# Altium PCB PCB1.PcbDoc (part 1 of 5) (continued)
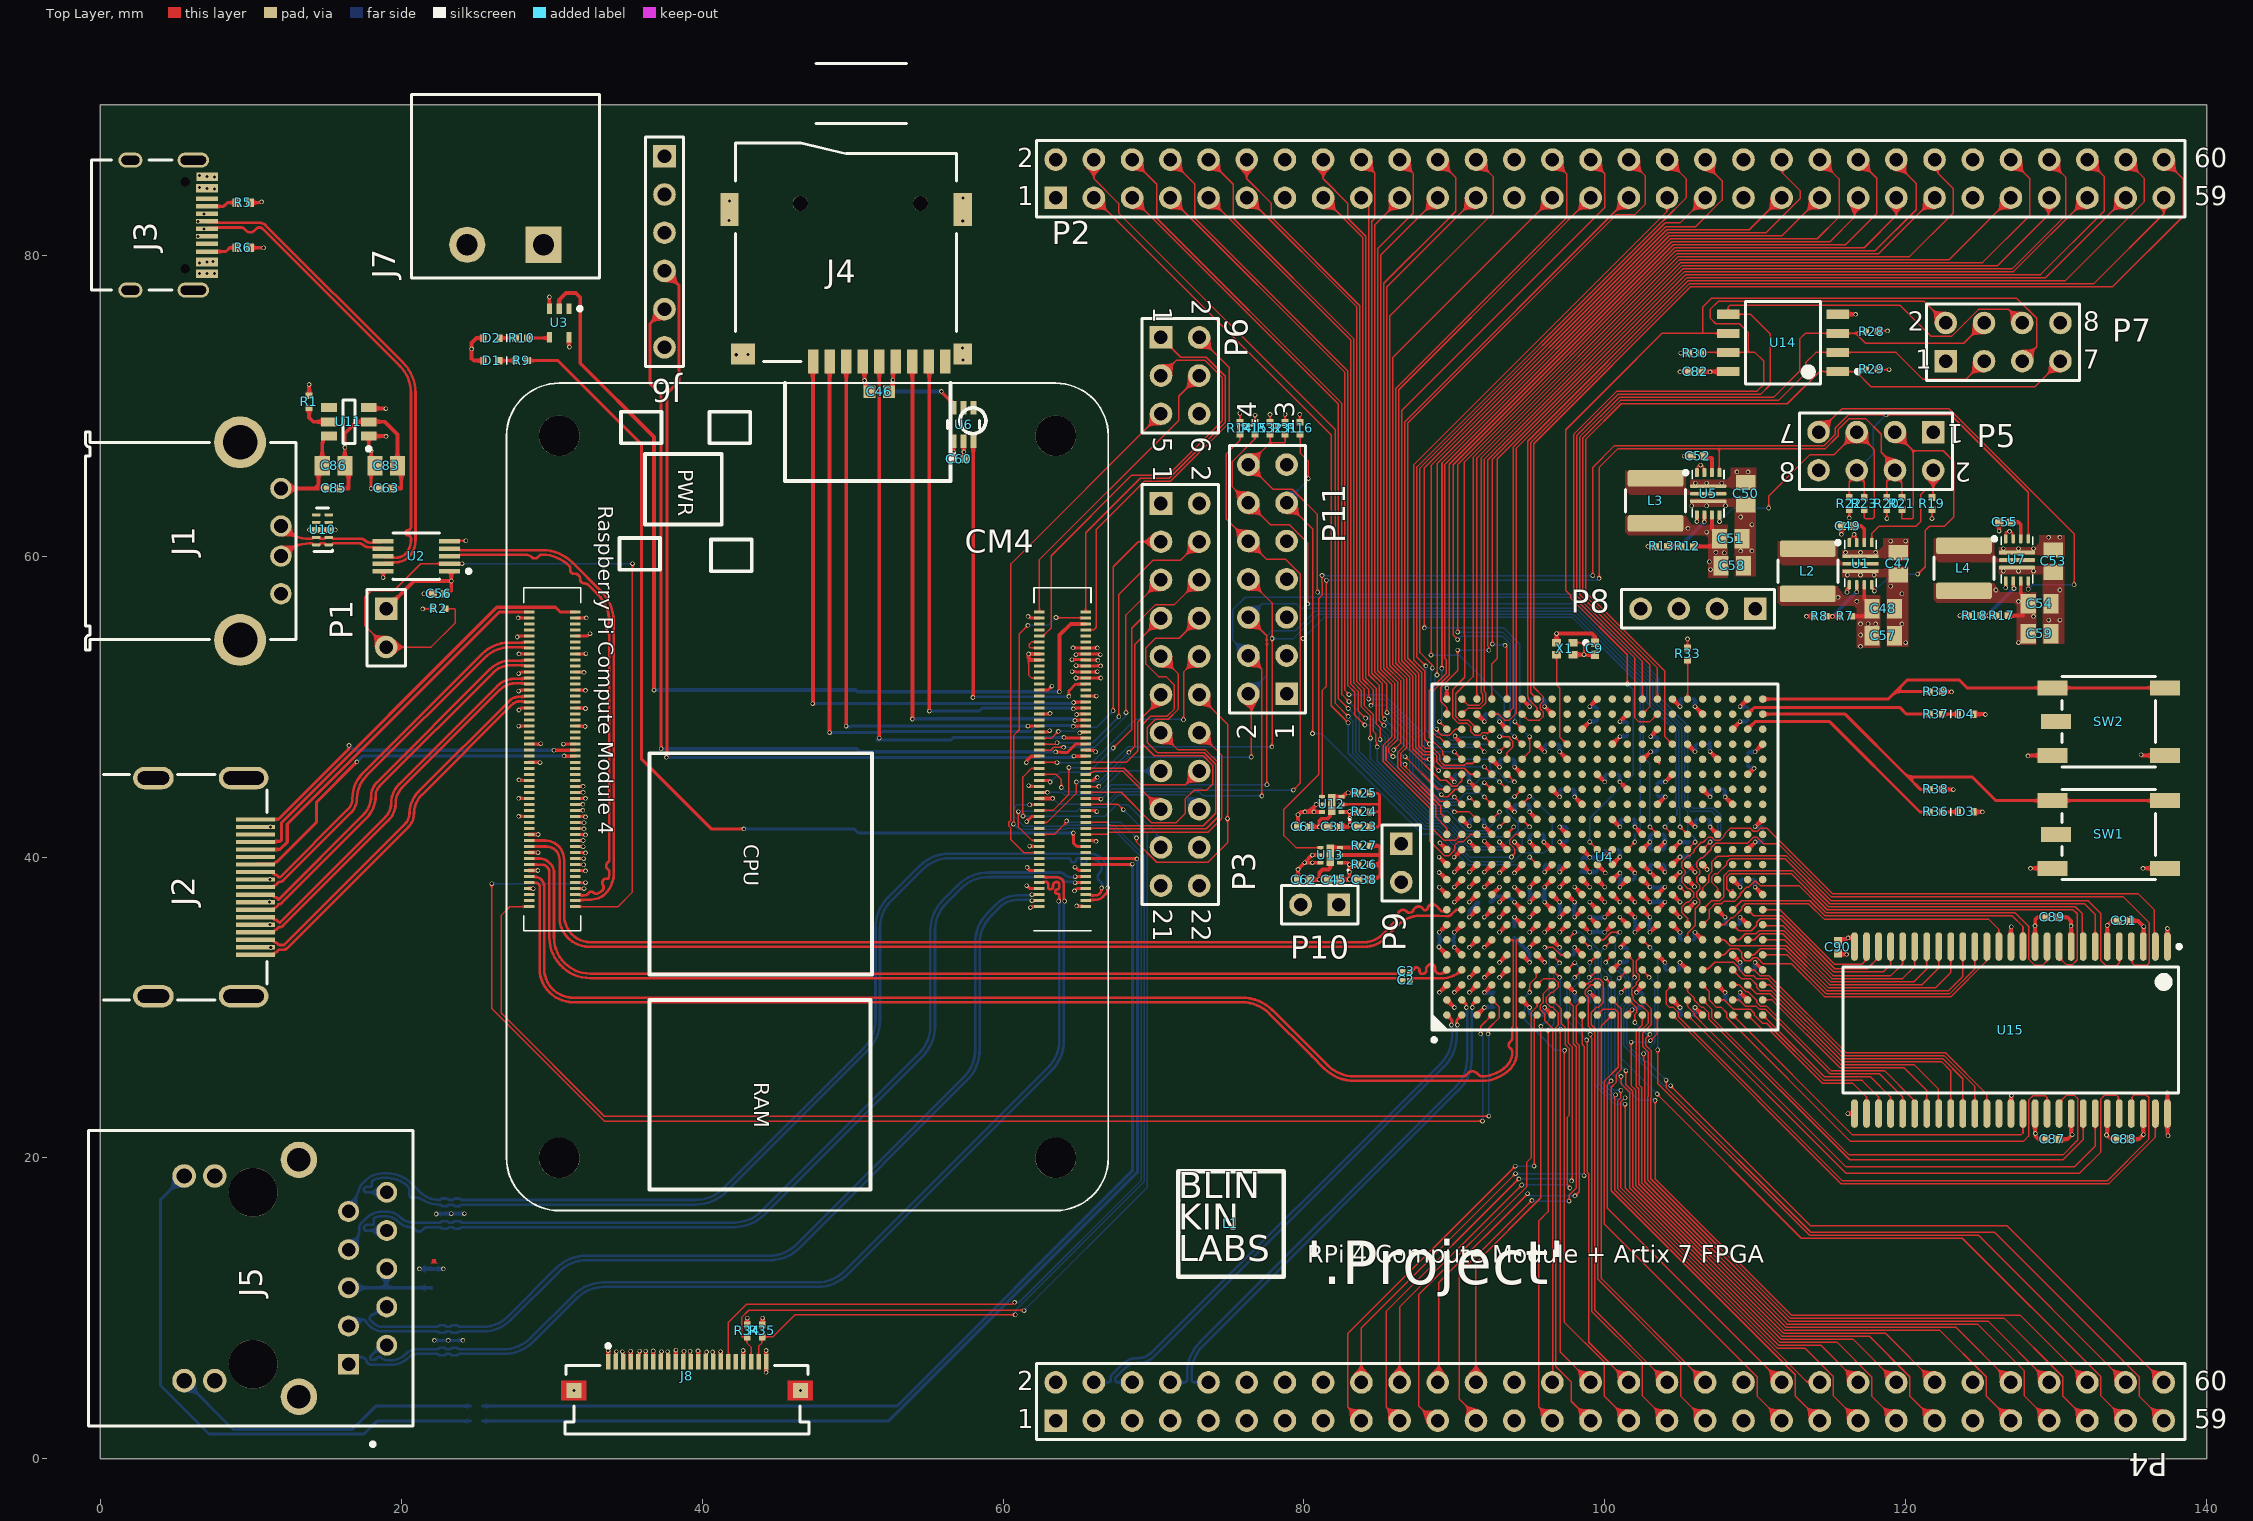
[diagram p0: Top Layer view]
## Components (designator, comment, footprint, x,y, rotation, side; value= is the part's Value field where it differs from the comment)
C1 "0.10uF" CAPC1608X09L 22,12 r270 bottom
C2 "0.10uF" CAPC0603X03L 86.8,31.8 r180 top
C3 "0.10uF" CAPC0603X03L 86.8,32.4 r180 top
C4 "4.7uF" CAPC1005X06L 94,35 r90 bottom
C5 "0.10uF" CAPC0603X03L 91.5,34 r180 bottom
C6 "0.10uF" CAPC0603X03L 91.5,38.004 r180 bottom
C7 "0.10uF" CAPC0603X03L 91,31.446 r270 bottom
C8 "0.10uF" CAPC0603X03L 90,39.5 r90 bottom
C9 "0.10uF" CAPC1005X06L 99.342,53.85 r270 top
C10 "0.47uF" CAPC1005X06L 103.5,37.5 r270 bottom
C11 "0.47uF" CAPC1005X06L 95.5,37.5 r180 bottom
C12 "0.47uF" CAPC1005X06L 97.5,36.5 r180 bottom
C13 "4.7uF" CAPC1005X06L 102.5,35.5 r0 bottom
C14 "4.7uF" CAPC1005X06L 99.5,35.5 r90 bottom
C15 "0.47uF" CAPC1005X06L 98.5,39.5 r270 bottom
C16 "0.47uF" CAPC1005X06L 101.5,38.5 r180 bottom
C17 "4.7uF" CAPC1005X06L 96.5,39.5 r0 bottom
C18 "4.7uF" CAPC1005X06L 95.5,41.5 r0 bottom
C19 "4.7uF" CAPC1005X06L 99.5,39.5 r90 bottom
C20 "0.47uF" CAPC1005X06L 103.5,40.5 r0 bottom
C21 "0.47uF" CAPC1005X06L 103.5,39.5 r180 bottom
C22 "0.47uF" CAPC1005X06L 103.5,41.5 r0 bottom
C23 "10000pF" CAPC1005X06L 84,42 r0 top locked
C24 "0.47uF" CAPC1005X06L 105.5,40.5 r270 bottom
C25 "0.47uF" CAPC1005X06L 100.5,45.5 r0 bottom
C26 "0.47uF" CAPC1005X06L 99.5,49.5 r90 bottom
C27 "0.47uF" CAPC1005X06L 96.5,47.5 r0 bottom
C28 "0.47uF" CAPC1005X06L 97.5,44.5 r0 bottom
C29 "4.7uF" CAPC1005X06L 101.5,48.5 r90 bottom
C30 "4.7uF" CAPC1005X06L 97.496,41.5 r90 bottom
C31 "4.7uF" CAPC1005X06L 82,42 r0 top locked
C32 "0.47uF" CAPC1005X06L 105.5,34.5 r180 bottom
C33 "0.47uF" CAPC1005X06L 109.5,32.5 r180 bottom
C34 "0.047uF" CAPC1005X06L 105.5,29.5 r0 bottom
C35 "0.047uF" CAPC1005X06L 108.5,35.5 r180 bottom
C36 "4.7uF" CAPC1005X06L 104.5,32.5 r180 bottom
C37 "4.7uF" CAPC1005X06L 108.5,30.5 r180 bottom
C38 "10000pF" CAPC1005X06L 84,38.5 r0 top locked
C39 "0.47uF" CAPC1005X06L 101.544,42.5 r0 bottom
C40 "0.47uF" CAPC1005X06L 109.5,49.5 r90 bottom
C41 "0.47uF" CAPC1005X06L 105.5,50.5 r0 bottom
C42 "0.47uF" CAPC1005X06L 103.5,47.5 r90 bottom
C43 "4.7uF" CAPC1005X06L 106.5,47.5 r180 bottom
C44 "4.7uF" CAPC1005X06L 103.504,44.5 r270 bottom
C45 "4.7uF" CAPC1005X06L 82,38.5 r0 top locked
C46 "47uF" CAPC1608X09L 51.775,70.925 r0 top
C47 "10uF" CAPC2012X10L 119.5,59.5 r270 top
C48 "22uF" CAPC2012X10L 118.5,56.5 r0 top
C49 "0.33uF" CAPC1005X06L 116.15,62 r180 top
C50 "10uF" CAPC2012X10L 109.375,64.15 r270 top
C51 "22uF" CAPC2012X10L 108.375,61.15 r0 top
C52 "0.33uF" CAPC1005X06L 106.175,66.65 r180 top
C53 "10uF" CAPC2012X10L 129.8,59.65 r270 top
C54 "22uF" CAPC2012X10L 128.9,56.85 r0 top
C55 "0.33uF" CAPC1005X06L 126.6,62.25 r180 top
C56 "0.10uF" CAPC1005X06L 22.5,57.5 r0 top
C57 "22uF" CAPC2012X10L 118.5,54.7 r0 top
C58 "22uF" CAPC2012X10L 108.475,59.35 r0 top
C59 "22uF" CAPC2012X10L 128.9,54.85 r0 top
C60 "0.10uF" CAPC1005X06L 57.05,66.45 r180 top
C61 "4.7uF" CAPC1005X06L 80,42 r180 top locked
C62 "4.7uF" CAPC1005X06L 80,38.5 r180 top locked
C63 "0.10uF" CAPC1005X06L 19,64.5 r180 top
C64 "0.47uF" CAPC1005X06L 107.5,44.5 r0 bottom
C65 "0.47uF" CAPC1005X06L 109.5,46.5 r90 bottom
C66 "0.47uF" CAPC1005X06L 106.5,42.5 r180 bottom
C67 "4.7uF" CAPC1005X06L 110.5,41.5 r90 bottom
C68 "4.7uF" CAPC1005X06L 109.5,38.5 r180 bottom
C69 "0.47uF" CAPC1005X06L 93.5,46.5 r0 bottom
C70 "0.47uF" CAPC1005X06L 92.5,49.5 r0 bottom
C71 "0.47uF" CAPC1005X06L 94.5,43.5 r0 bottom
C72 "0.47uF" CAPC1005X06L 90.5,45.5 r0 bottom
C73 "4.7uF" CAPC1005X06L 91.5,42.5 r180 bottom
C74 "4.7uF" CAPC1005X06L 95.5,50.5 r180 bottom
C75 "0.47uF" CAPC1005X06L 92.5,30.5 r90 bottom
C76 "0.47uF" CAPC1005X06L 98.5,30.5 r0 bottom
C77 "0.47uF" CAPC1005X06L 101.5,33.5 r90 bottom
C78 "0.47uF" CAPC1005X06L 95.5,29.5 r0 bottom
C79 "4.7uF" CAPC1005X06L 97.5,33.5 r180 bottom
C80 "4.7uF" CAPC1005X06L 102.5,30.5 r270 bottom
C81 "0.47uF" CAPC1005X06L 100.5,40.5 r0 bottom
C82 "0.10uF" CAPC1005X06L 106,72.25 r0 top
C83 "10uF" CAPC2012X10L 19,66 r0 top
C84 "4.7uF" CAPC1005X06L 89.5,34.5 r0 bottom
C85 "0.10uF" CAPC1005X06L 15.5,64.5 r180 top
C86 "22uF" CAPC2012X10L 15.5,66 r0 top
C87 "2.2uF" CAPC1005X06L 129.75,21.25 r0 top
C88 "0.022uF" CAPC1005X06L 134.5,21.25 r0 top
C89 "0.022uF" CAPC1005X06L 129.75,36 r180 top
C90 "0.022uF" CAPC1005X06L 115.5,34 r270 top
C91 "0.022uF" CAPC1005X06L 134.5,35.75 r180 top
CM4 "Raspberry Pi Compute Module 4" CM4-F40C-100DS-0.4v_1.5mm_0mm 47,44 r0 top locked
D1 "BL-HGE37A-AV-TRB" BL-Hxx37A-AV-TRB 26,73 r0 top
D2 "BL-HUB37A-AV-TRB" BL-Hxx37A-AV-TRB 26,74.5 r0 top
D3 "BL-HUB37A-AV-TRB" BL-Hxx37A-AV-TRB 124,43 r180 top
D4 "BL-HUB37A-AV-TRB" BL-Hxx37A-AV-TRB 124,49.5 r180 top
J1 "61400416021" 61400416021 6.01,61 r270 top
J2 "685119134923" 685119134923 5,38 r270 top locked
J3 "TYPE-C-31-M-12" TYPE-C-31-M-12 2,82 r270 top locked
J4 "TFP09-2-12B" TFP09-2-12B 49.575,83.45 r180 top locked
J5 "ARJM11C7-502-AB-ER2-T" FP-ARJM11C7-502-AB-ER2-T-MFG 10,12 r270 top locked
J6 "FTDI" HDR1X6 37.5,86.58 r270 top
J7 "1757242" 1757242 26.925,80.7 r90 top
J8 "54548-2271" MOLX-54548-2271 39,5.5 r0 top
L1 "BLINKINLABS_LOGO" BLINKINLABS_LOGO 75.15,15.625 r0 top
L2 "1.5uH" SWPA4030S 113.5,59 r270 top
L3 "1.5uH" SWPA4030S 103.375,63.675 r270 top
L4 "1.5uH" SWPA4030S 123.875,59.2 r270 top
P1 "USB_DEVICE" HDR1X2 19,56.5 r270 top
P2 "Header 30X2" HDR2X30 63.5,83.82 r0 top locked
P3 "Header 11X2" HDR2X11 70.5,63.5 r270 top locked
P4 "Header 30X2" HDR2X30 63.5,2.54 r0 top locked
P5 "Header 4X2" HDR2X4 121.83,68.25 r180 top
P6 "Header 3X2" HDR2X3 70.5,74.54 r270 top locked
P7 "Header 4X2" HDR2X4 122.67,72.96 r0 top locked
P8 "Header 4" HDR1X4 110,56.5 r180 top
P9 "Header 2" HDR1X2 86.477,40.872 r270 top
P10 "Header 2" HDR1X2 82.321,36.834 r180 top
P11 "Header 7X2" HDR2X7 78.85,50.845 r90 top locked
R1 "20k" ERJ2G(0402)_L 13.874,70.258 r270 top
R2 "2.2k" ERJ2G(0402)_L 22.5,56.5 r0 top
R3 "470" ERJ2G(0402)_L 25,2.5 r180 bottom
R4 "470" ERJ2G(0402)_L 25,3.5 r180 bottom
R5 "5.1k" ERJ2G(0402)_N 9.5,83.5 r0 top
R6 "5.1k" ERJ2G(0402)_N 9.5,80.5 r0 top
R7 "127k" ERJ2G(0402)_L 116,56 r0 top
R8 "300k" ERJ2G(0402)_L 114.3,56 r0 top
R9 "1k" ERJ2G(0402)_L 28,73 r180 top
R10 "1k" ERJ2G(0402)_L 28,74.5 r180 top
R11 "100" ERJ2G(0402)_L 92,37 r180 bottom
R12 "470k" ERJ2G(0402)_L 105.475,60.65 r0 top
R13 "300k" ERJ2G(0402)_L 103.775,60.65 r0 top
R14 "4.7k" ERJ2G(0402)_L 75.75,68.5 r90 top
R15 "4.7k" ERJ2G(0402)_L 76.75,68.5 r90 top
R16 "330" ERJ2G(0402)_L 79.75,68.5 r90 top
R17 "560k" ERJ2G(0402)_L 126.4,56.05 r0 top
R18 "150k" ERJ2G(0402)_L 124.6,56.05 r0 top
R19 "100k" ERJ2G(0402)_L 121.75,63.5 r270 top
R20 "100k" ERJ2G(0402)_L 118.75,63.5 r270 top
R21 "0.0" ERJ2G(0402)_L 119.75,63.5 r270 top
R22 "100k" ERJ2G(0402)_L 116.25,63.5 r270 top
R23 "0.0" ERJ2G(0402)_L 117.25,63.5 r270 top
R24 "0.0" ERJ2G(0402)_L 84,43 r180 top locked
R25 "0.0" ERJ2G(0402)_L 84,44.25 r0 top locked
R26 "0.0" ERJ2G(0402)_L 84,39.5 r180 top locked
R27 "0.0" ERJ2G(0402)_L 84,40.75 r0 top locked
R28 "4.7k" ERJ2G(0402)_L 117.75,74.925 r0 top
R29 "4.7k" ERJ2G(0402)_L 117.75,72.425 r0 top
R30 "4.7k" ERJ2G(0402)_L 106,73.5 r180 top
R31 "330" ERJ2G(0402)_L 78.75,68.5 r90 top
R32 "330" ERJ2G(0402)_L 77.75,68.5 r270 top
R33 "1k" ERJ2G(0402)_L 105.5,53.5 r270 top
R34 "2.7k" ERJ2G(0402)_L 43,8.5 r90 top
R35 "2.7k" ERJ2G(0402)_L 44,8.5 r90 top
R36 "1k" ERJ2G(0402)_L 122,43 r0 top
R37 "1k" ERJ2G(0402)_L 122,49.5 r0 top
R38 "1k" ERJ2G(0402)_L 122,44.5 r0 top
R39 "1k" ERJ2G(0402)_L 122,51 r0 top
SW1 "TD-07XB" TD-07XB 133.5,41.5 r0 top
SW2 "TD-07XB" TD-07XB 133.5,49 r0 top
U1 "TPS621361RGXR" RGX0011A 117,59.5 r270 top
U2 "FSUSB42MUX" FP-846AP-MFG 21,60 r180 top
U3 "74LVC1G17GW" NXP-SOT353-1_L 30.5,75.5 r270 top
U4 "XC7A35T-2FGG484C" FGG484 100,40 r90 top locked
U5 "TPS621361RGXR" RGX0011A 106.875,64.15 r270 top
U6 "TPS22919DCKR" FP-DCK0006A-MFG 57.375,68.75 r90 top
U7 "TPS621361RGXR" RGX0011A 127.4,59.75 r270 top
U8 "TPD4EUSB30DQAR" DQA0010A_V#1 23.125,7.875 r0 bottom
U9 "TPD4EUSB30DQAR" DQA0010A_V#1 23.3,16.3 r180 bottom
U10 "TPD4EUSB30DQAR" DQA0010A_V#2 14.767,61.75 r180 top
U11 "AP22653W6-7" SOT95P280X145-6N-5 16.515,68.93 r180 top
U12 "MIC94325YMT-TR" QFN50P160X160X60_HS-7N 81.86,43.5 r180 top locked
U13 "MIC94325YMT-TR" QFN50P160X160X60_HS-7N 81.76,40.125 r180 top locked
U14 "S25FL064LABMFI013" FP-002-15548-MFG 111.85,74.175 r180 top
U15 "MT48LC16M16A2P-6A:G" MICT-TG-54_M 127,28.5 r270 top locked
X1 "ASCO-50.000MHZ-EK-T3" ABRA-ASCO-50.000MHZ-EK-T3-4_V 97.342,53.85 r180 top

## Footprints (in the part's own frame and the unit in brackets; to place one, negate y for a bottom-side part, rotate by r counter-clockwise, add the part's x,y. Pads: shape width x height; smd on the part's side, far side on the other; paste and mask are expansions set on the pad)
1757242 [mm] "TERM BLOCK HDR 2POS 90DEG 5.08MM"
  rect 2.4x2.4 hole 1.4: 1(0,-2.54)
  round 2.4 hole 1.4: 2(0,2.54)
  silkscreen extent -2.2,-6.27 10,6.24, body extent -2,-6.07 10,6.09, height 8.6
61400416021 [mm] "USB 2.0 Type A Horizontal"
  round 1.42 hole 0.92: 1(-3.5,5.99) 2(-1,5.99) 3(1,5.99) 4(3.5,5.99)
  round 3.45 hole 2.3: Shell(-6.57,3.28) Shell(6.57,3.28)
  silkscreen extent -7.25,-7 7.25,7, body extent -8,-7 8,7, height 7.63
685119134923 [mm] "HDMI SMT Horizontal"
  rect 0.28x2.6 smd: 1(4.5,5.325) 2(4,5.325) 3(3.5,5.325) 4(3,5.325) 5(2.5,5.325) 6(2,5.325) 7(1.5,5.325) 8(1,5.325) 9(0.5,5.325) 10(0,5.325) 11(-0.5,5.325) 12(-1,5.325) 13(-1.5,5.325) 14(-2,5.325) 15(-2.5,5.325) 16(-3,5.325) 17(-3.5,5.325) 18(-4,5.325) 19(-4.5,5.325)
  oval 1.5x3.3 hole 0.9 slot 2.7 at 90 deg: Shell(-7.25,4.525) Shell(7.25,4.525)
  oval 1.5x2.7 hole 0.9 slot 2.1 at 90 deg: Shell(-7.25,-1.475) Shell(7.25,-1.475)
  silkscreen extent -7.5,-4.78 7.5,6.07, body extent -7.55,-6.07 7.45,6.08, height 6.17
ABRA-ASCO-50.000MHZ-EK-T3-4_V [mm] "Hand Drawn, 4-Leads, Body 1.6x1.2mm"
  rect 0.6x0.5 smd: 1(-0.55,-0.4) 2(0.55,-0.4) 3(0.55,0.4) 4(-0.55,0.4)
  silkscreen extent -1.53,-0.52 -1.28,-0.28, body extent -0.8,-0.6 0.8,0.6, height 0.7
BL-Hxx37A-AV-TRB [mm] "0402 LED, generic"
  rect 0.4x0.5 smd: 1(-0.525,0) 2(0.525,0)
  silkscreen extent 1,-0.25 1,0.25, body extent -0.5,-0.25 0.5,0.25, height 0.4
BLINKINLABS_LOGO [mm] "Square blinkinlabs logo"
  silkscreen extent -3.51,-3.51 3.5,3.5
CAPC0603X03L [mm] "Chip Capacitor, 2-Leads, Body 0.60x0.30mm, IPC High Density"
  rect 0.4x0.32 smd: 1(-0.26,0) 2(0.26,0)
  body extent -0.32,-0.17 0.32,0.17, height 0.33
CAPC1005X06L [mm] "Chip Capacitor, 2-Leads, Body 1.00x0.50mm, IPC High Density"
  rect 0.56x0.52 smd: 1(-0.39,0) 2(0.39,0)
  body extent -0.53,-0.28 0.53,0.28, height 0.55
CAPC1608X09L [mm] "Chip Capacitor, 2-Leads, Body 1.60x0.80mm, IPC High Density"
  rect 0.8x0.85 smd: 1(-0.65,0) 2(0.65,0)
  body extent -0.85,-0.45 0.85,0.45, height 0.9
CAPC2012X10L [mm] "Chip Capacitor, 2-Leads, Body 2.00x1.25mm, IPC High Density"
  rect 1x1.3 smd: 1(-0.75,0) 2(0.75,0)
  body extent -1.05,-0.67 1.05,0.68, height 0.95
CM4-F40C-100DS-0.4v_1.5mm_0mm [mm] "DF40C-100DS-0.4v by Amornthep Phunsin"
  round 2.7 hole 2.7: 0(-16.5,-24) 0(-16.5,24) 0(16.5,-24) 0(16.5,24)
  rect 0.7x0.2 smd: 1(18.5,-7.3) 2(15.42,-7.3) 3(18.5,-6.9) 4(15.42,-6.9) 5(18.5,-6.5) 6(15.42,-6.5) 7(18.5,-6.1) 8(15.42,-6.1) 9(18.5,-5.7) 10(15.42,-5.7) 11(18.5,-5.3) 12(15.42,-5.3) 13(18.5,-4.9) 14(15.42,-4.9) 15(18.5,-4.5) 16(15.42,-4.5) 17(18.5,-4.1) 18(15.42,-4.1) 19(18.5,-3.7) 20(15.42,-3.7) 21(18.5,-3.3) 22(15.42,-3.3) 23(18.5,-2.9) 24(15.42,-2.9) 25(18.5,-2.5) 26(15.42,-2.5) 27(18.5,-2.1) 28(15.42,-2.1) 29(18.5,-1.7) 30(15.42,-1.7) 31(18.5,-1.3) 32(15.42,-1.3) 33(18.5,-0.9) 34(15.42,-0.9) 35(18.5,-0.5) 36(15.42,-0.5) 37(18.5,-0.1) 38(15.42,-0.1) 39(18.5,0.3) 40(15.42,0.3) 41(18.5,0.7) 42(15.42,0.7) 43(18.5,1.1) 44(15.42,1.1) 45(18.5,1.5) 46(15.42,1.5) 47(18.5,1.9) 48(15.42,1.9) 49(18.5,2.3) 50(15.42,2.3) 51(18.5,2.7) 52(15.42,2.7) 53(18.5,3.1) 54(15.42,3.1) 55(18.5,3.5) 56(15.42,3.5) 57(18.5,3.9) 58(15.42,3.9) 59(18.5,4.3) 60(15.42,4.3) 61(18.5,4.7) 62(15.42,4.7) 63(18.5,5.1) 64(15.42,5.1) 65(18.5,5.5) 66(15.42,5.5) 67(18.5,5.9) 68(15.42,5.9) 69(18.5,6.3) 70(15.42,6.3) 71(18.5,6.7) 72(15.42,6.7) 73(18.5,7.1) 74(15.42,7.1) 75(18.5,7.5) 76(15.42,7.5) 77(18.5,7.9) 78(15.42,7.9) 79(18.5,8.3) 80(15.42,8.3) 81(18.5,8.7) 82(15.42,8.7) 83(18.5,9.1) 84(15.42,9.1) 85(18.5,9.5) 86(15.42,9.5) 87(18.5,9.9) 88(15.42,9.9) 89(18.5,10.3) 90(15.42,10.3) 91(18.5,10.7) 92(15.42,10.7) 93(18.5,11.1) 94(15.42,11.1) 95(18.5,11.5) 96(15.42,11.5) 97(18.5,11.9) 98(15.42,11.9) 99(18.5,12.3) 100(15.42,12.3) 101(-15.42,-7.3) 102(-18.5,-7.3) 103(-15.42,-6.9) 104(-18.5,-6.9) 105(-15.42,-6.5) 106(-18.5,-6.5) 107(-15.42,-6.1) 108(-18.5,-6.1) 109(-15.42,-5.7) 110(-18.5,-5.7) 111(-15.42,-5.3) 112(-18.5,-5.3) 113(-15.42,-4.9) 114(-18.5,-4.9) 115(-15.42,-4.5) 116(-18.5,-4.5) 117(-15.42,-4.1) 118(-18.5,-4.1) 119(-15.42,-3.7) 120(-18.5,-3.7) 121(-15.42,-3.3) 122(-18.5,-3.3) 123(-15.42,-2.9) 124(-18.5,-2.9) 125(-15.42,-2.5) 126(-18.5,-2.5) 127(-15.42,-2.1) 128(-18.5,-2.1) 129(-15.42,-1.7) 130(-18.5,-1.7) 131(-15.42,-1.3) 132(-18.5,-1.3) 133(-15.42,-0.9) 134(-18.5,-0.9) 135(-15.42,-0.5) 136(-18.5,-0.5) 137(-15.42,-0.1) 138(-18.5,-0.1) 139(-15.42,0.3) 140(-18.5,0.3) 141(-15.42,0.7) 142(-18.5,0.7) 143(-15.42,1.1) 144(-18.5,1.1) 145(-15.42,1.5) 146(-18.5,1.5) 147(-15.42,1.9) 148(-18.5,1.9) 149(-15.42,2.3) 150(-18.5,2.3) 151(-15.42,2.7) 152(-18.5,2.7) 153(-15.42,3.1) 154(-18.5,3.1) 155(-15.42,3.5) 156(-18.5,3.5) 157(-15.42,3.9) 158(-18.5,3.9) 159(-15.42,4.3) 160(-18.5,4.3) 161(-15.42,4.7) 162(-18.5,4.7) 163(-15.42,5.1) 164(-18.5,5.1) 165(-15.42,5.5) 166(-18.5,5.5) 167(-15.42,5.9) 168(-18.5,5.9) 169(-15.42,6.3) 170(-18.5,6.3) 171(-15.42,6.7) 172(-18.5,6.7) 173(-15.42,7.1) 174(-18.5,7.1) 175(-15.42,7.5) 176(-18.5,7.5) 177(-15.42,7.9) 178(-18.5,7.9) 179(-15.42,8.3) 180(-18.5,8.3) 181(-15.42,8.7) 182(-18.5,8.7) 183(-15.42,9.1) 184(-18.5,9.1) 185(-15.42,9.5) 186(-18.5,9.5) 187(-15.42,9.9) 188(-18.5,9.9) 189(-15.42,10.3) 190(-18.5,10.3) 191(-15.42,10.7) 192(-18.5,10.7) 193(-15.42,11.1) 194(-18.5,11.1) 195(-15.42,11.5) 196(-18.5,11.5) 197(-15.42,11.9) 198(-18.5,11.9) 199(-15.42,12.3) 200(-18.5,12.3)
  silkscreen extent -20,-27.5 20,27.5, body extent -20,-27.5 20,27.5, height 5.15
DQA0010A_V#1 [mm] "SON, 10-Leads, Body 1x2.5mm, Pitch 0.5mm, TI Recommended"
  rrect50% 0.565x0.2 smd: 1(-0.417,1) 2(-0.417,0.5) 4(-0.417,-0.5) 5(-0.417,-1) 6(0.417,-1) 7(0.417,-0.5) 9(0.417,0.5) 10(0.417,1)
  rrect28% 0.565x0.36 on Bottom Paste: 3(-0.417,0) 8(0.417,0)
  rrect25% 0.565x0.4 smd paste-0.2: 3(-0.417,0) 8(0.417,0)
  silkscreen extent -0.67,-1.45 0.55,1.45, body extent -0.55,-1.3 0.55,1.3, height 0.56
DQA0010A_V#2 [mm] "SON, 10-Leads, Body 1x2.5mm, Pitch 0.5mm, TI Recommended"
  rrect50% 0.565x0.2 smd: 1(-0.417,1) 2(-0.417,0.5) 4(-0.417,-0.5) 5(-0.417,-1) 6(0.417,-1) 7(0.417,-0.5) 9(0.417,0.5) 10(0.417,1)
  rrect28% 0.565x0.36 on Top Paste: 3(-0.417,0) 8(0.417,0)
  rrect25% 0.565x0.4 smd paste-0.2: 3(-0.417,0) 8(0.417,0)
  silkscreen extent -0.67,-1.45 0.55,1.45, body extent -0.55,-1.3 0.55,1.3, height 0.56
ERJ2G(0402)_L [mm] "Chip Resistor, 2-Leads, Body 1.00x0.50mm, IPC High Density"
  rect 0.45x0.45 smd: 1(-0.4,0) 2(0.4,0)
  body extent -0.53,-0.27 0.53,0.28, height 0.4
ERJ2G(0402)_N [mm] "Chip Resistor, 2-Leads, Body 1.00x0.50mm, IPC Medium Density"
  rect 0.55x0.55 smd: 1(-0.45,0) 2(0.45,0)
  body extent -0.53,-0.27 0.53,0.28, height 0.4
FGG484 [mm] "BGA, 484-Balls, Body 23x23mm, Pitch 1mm"
  round 0.5 smd: A1(-10.5,10.5) A2(-9.5,10.5) A3(-8.5,10.5) A4(-7.5,10.5) A5(-6.5,10.5) A6(-5.5,10.5) A7(-4.5,10.5) A8(-3.5,10.5) A9(-2.5,10.5) A10(-1.5,10.5) A11(-0.5,10.5) A12(0.5,10.5) A13(1.5,10.5) A14(2.5,10.5) A15(3.5,10.5) A16(4.5,10.5) A17(5.5,10.5) A18(6.5,10.5) A19(7.5,10.5) A20(8.5,10.5) A21(9.5,10.5) A22(10.5,10.5) AA1(-10.5,-9.5) AA2(-9.5,-9.5) AA3(-8.5,-9.5) AA4(-7.5,-9.5) AA5(-6.5,-9.5) AA6(-5.5,-9.5) AA7(-4.5,-9.5) AA8(-3.5,-9.5) AA9(-2.5,-9.5) AA10(-1.5,-9.5) AA11(-0.5,-9.5) AA12(0.5,-9.5) AA13(1.5,-9.5) AA14(2.5,-9.5) AA15(3.5,-9.5) AA16(4.5,-9.5) AA17(5.5,-9.5) AA18(6.5,-9.5) AA19(7.5,-9.5) AA20(8.5,-9.5) AA21(9.5,-9.5) AA22(10.5,-9.5) AB1(-10.5,-10.5) AB2(-9.5,-10.5) AB3(-8.5,-10.5) AB4(-7.5,-10.5) AB5(-6.5,-10.5) AB6(-5.5,-10.5) AB7(-4.5,-10.5) AB8(-3.5,-10.5) AB9(-2.5,-10.5) AB10(-1.5,-10.5) AB11(-0.5,-10.5) AB12(0.5,-10.5) AB13(1.5,-10.5) AB14(2.5,-10.5) AB15(3.5,-10.5) AB16(4.5,-10.5) AB17(5.5,-10.5) AB18(6.5,-10.5) AB19(7.5,-10.5) AB20(8.5,-10.5) AB21(9.5,-10.5) AB22(10.5,-10.5) B1(-10.5,9.5) B2(-9.5,9.5) B3(-8.5,9.5) B4(-7.5,9.5) B5(-6.5,9.5) B6(-5.5,9.5) B7(-4.5,9.5) B8(-3.5,9.5) B9(-2.5,9.5) B10(-1.5,9.5) B11(-0.5,9.5) B12(0.5,9.5) B13(1.5,9.5) B14(2.5,9.5) B15(3.5,9.5) B16(4.5,9.5) B17(5.5,9.5) B18(6.5,9.5) B19(7.5,9.5) B20(8.5,9.5) B21(9.5,9.5) B22(10.5,9.5) C1(-10.5,8.5) C2(-9.5,8.5) C3(-8.5,8.5) C4(-7.5,8.5) C5(-6.5,8.5) C6(-5.5,8.5) C7(-4.5,8.5) C8(-3.5,8.5) C9(-2.5,8.5) C10(-1.5,8.5) C11(-0.5,8.5) C12(0.5,8.5) C13(1.5,8.5) C14(2.5,8.5) C15(3.5,8.5) C16(4.5,8.5) C17(5.5,8.5) C18(6.5,8.5) C19(7.5,8.5) C20(8.5,8.5) C21(9.5,8.5) C22(10.5,8.5) D1(-10.5,7.5) D2(-9.5,7.5) D3(-8.5,7.5) D4(-7.5,7.5) D5(-6.5,7.5) D6(-5.5,7.5) D7(-4.5,7.5) D8(-3.5,7.5) D9(-2.5,7.5) D10(-1.5,7.5) D11(-0.5,7.5) D12(0.5,7.5) D13(1.5,7.5) D14(2.5,7.5) D15(3.5,7.5) D16(4.5,7.5) D17(5.5,7.5) D18(6.5,7.5) D19(7.5,7.5) D20(8.5,7.5) D21(9.5,7.5) D22(10.5,7.5) E1(-10.5,6.5) E2(-9.5,6.5) E3(-8.5,6.5) E4(-7.5,6.5) E5(-6.5,6.5) E6(-5.5,6.5) E7(-4.5,6.5) E8(-3.5,6.5) E9(-2.5,6.5) E10(-1.5,6.5) E11(-0.5,6.5) E12(0.5,6.5) E13(1.5,6.5) E14(2.5,6.5) E15(3.5,6.5) E16(4.5,6.5) E17(5.5,6.5) E18(6.5,6.5) E19(7.5,6.5) E20(8.5,6.5) E21(9.5,6.5) E22(10.5,6.5) F1(-10.5,5.5) F2(-9.5,5.5) F3(-8.5,5.5) F4(-7.5,5.5) F5(-6.5,5.5) F6(-5.5,5.5) F7(-4.5,5.5) F8(-3.5,5.5) F9(-2.5,5.5) F10(-1.5,5.5) F11(-0.5,5.5) F12(0.5,5.5) F13(1.5,5.5) F14(2.5,5.5) F15(3.5,5.5) F16(4.5,5.5) F17(5.5,5.5) F18(6.5,5.5) F19(7.5,5.5) F20(8.5,5.5) F21(9.5,5.5) F22(10.5,5.5) G1(-10.5,4.5) G2(-9.5,4.5) G3(-8.5,4.5) G4(-7.5,4.5) G5(-6.5,4.5) G6(-5.5,4.5) G7(-4.5,4.5) G8(-3.5,4.5) G9(-2.5,4.5) G10(-1.5,4.5) G11(-0.5,4.5) G12(0.5,4.5) G13(1.5,4.5) G14(2.5,4.5) G15(3.5,4.5) G16(4.5,4.5) G17(5.5,4.5) G18(6.5,4.5) G19(7.5,4.5) G20(8.5,4.5) G21(9.5,4.5) G22(10.5,4.5) H1(-10.5,3.5) H2(-9.5,3.5) H3(-8.5,3.5) H4(-7.5,3.5) H5(-6.5,3.5) H6(-5.5,3.5) H7(-4.5,3.5) H8(-3.5,3.5) H9(-2.5,3.5) H10(-1.5,3.5) H11(-0.5,3.5) H12(0.5,3.5) H13(1.5,3.5) H14(2.5,3.5) H15(3.5,3.5) H16(4.5,3.5) H17(5.5,3.5) H18(6.5,3.5) H19(7.5,3.5) H20(8.5,3.5) H21(9.5,3.5) H22(10.5,3.5) J1(-10.5,2.5) J2(-9.5,2.5) J3(-8.5,2.5) J4(-7.5,2.5) J5(-6.5,2.5) J6(-5.5,2.5) J7(-4.5,2.5) J8(-3.5,2.5) J9(-2.5,2.5) J10(-1.5,2.5) J11(-0.5,2.5) J12(0.5,2.5) J13(1.5,2.5) J14(2.5,2.5) J15(3.5,2.5) J16(4.5,2.5) J17(5.5,2.5) J18(6.5,2.5) J19(7.5,2.5) J20(8.5,2.5) J21(9.5,2.5) J22(10.5,2.5) K1(-10.5,1.5) K2(-9.5,1.5) K3(-8.5,1.5) K4(-7.5,1.5) K5(-6.5,1.5) K6(-5.5,1.5) K7(-4.5,1.5) K8(-3.5,1.5) K9(-2.5,1.5) K10(-1.5,1.5) K11(-0.5,1.5) K12(0.5,1.5) K13(1.5,1.5) K14(2.5,1.5) K15(3.5,1.5) K16(4.5,1.5) K17(5.5,1.5) K18(6.5,1.5) K19(7.5,1.5) K20(8.5,1.5) K21(9.5,1.5) K22(10.5,1.5) L1(-10.5,0.5) L2(-9.5,0.5) L3(-8.5,0.5) L4(-7.5,0.5) L5(-6.5,0.5) L6(-5.5,0.5) L7(-4.5,0.5) L8(-3.5,0.5) L9(-2.5,0.5) L10(-1.5,0.5) L11(-0.5,0.5) L12(0.5,0.5) L13(1.5,0.5) L14(2.5,0.5) L15(3.5,0.5) L16(4.5,0.5) L17(5.5,0.5) L18(6.5,0.5) L19(7.5,0.5) L20(8.5,0.5) L21(9.5,0.5) L22(10.5,0.5) M1(-10.5,-0.5) M2(-9.5,-0.5) M3(-8.5,-0.5) M4(-7.5,-0.5) M5(-6.5,-0.5) M6(-5.5,-0.5) M7(-4.5,-0.5) M8(-3.5,-0.5) M9(-2.5,-0.5) M10(-1.5,-0.5) M11(-0.5,-0.5) M12(0.5,-0.5) M13(1.5,-0.5) M14(2.5,-0.5) M15(3.5,-0.5) M16(4.5,-0.5) M17(5.5,-0.5) M18(6.5,-0.5) M19(7.5,-0.5) M20(8.5,-0.5) M21(9.5,-0.5) M22(10.5,-0.5) N1(-10.5,-1.5) N2(-9.5,-1.5) N3(-8.5,-1.5) N4(-7.5,-1.5) N5(-6.5,-1.5) N6(-5.5,-1.5) N7(-4.5,-1.5) N8(-3.5,-1.5) N9(-2.5,-1.5) N10(-1.5,-1.5) N11(-0.5,-1.5) N12(0.5,-1.5) N13(1.5,-1.5) N14(2.5,-1.5) N15(3.5,-1.5) N16(4.5,-1.5) N17(5.5,-1.5) N18(6.5,-1.5) N19(7.5,-1.5) N20(8.5,-1.5) N21(9.5,-1.5) N22(10.5,-1.5) P1(-10.5,-2.5) P2(-9.5,-2.5) P3(-8.5,-2.5) P4(-7.5,-2.5) P5(-6.5,-2.5) P6(-5.5,-2.5) P7(-4.5,-2.5) P8(-3.5,-2.5) P9(-2.5,-2.5) P10(-1.5,-2.5) P11(-0.5,-2.5) P12(0.5,-2.5) P13(1.5,-2.5) P14(2.5,-2.5) P15(3.5,-2.5) P16(4.5,-2.5) P17(5.5,-2.5) P18(6.5,-2.5) P19(7.5,-2.5) P20(8.5,-2.5) P21(9.5,-2.5) P22(10.5,-2.5) R1(-10.5,-3.5) R2(-9.5,-3.5) R3(-8.5,-3.5) R4(-7.5,-3.5) R5(-6.5,-3.5) R6(-5.5,-3.5) R7(-4.5,-3.5) R8(-3.5,-3.5) R9(-2.5,-3.5) R10(-1.5,-3.5) R11(-0.5,-3.5) R12(0.5,-3.5) R13(1.5,-3.5) R14(2.5,-3.5) R15(3.5,-3.5) R16(4.5,-3.5) R17(5.5,-3.5) R18(6.5,-3.5) R19(7.5,-3.5) R20(8.5,-3.5) R21(9.5,-3.5) R22(10.5,-3.5) T1(-10.5,-4.5) T2(-9.5,-4.5) T3(-8.5,-4.5) T4(-7.5,-4.5) T5(-6.5,-4.5) T6(-5.5,-4.5) T7(-4.5,-4.5) T8(-3.5,-4.5) T9(-2.5,-4.5) T10(-1.5,-4.5) T11(-0.5,-4.5) T12(0.5,-4.5) T13(1.5,-4.5) T14(2.5,-4.5) T15(3.5,-4.5) T16(4.5,-4.5) T17(5.5,-4.5) T18(6.5,-4.5) T19(7.5,-4.5) T20(8.5,-4.5) T21(9.5,-4.5) T22(10.5,-4.5) U1(-10.5,-5.5) U2(-9.5,-5.5) U3(-8.5,-5.5) U4(-7.5,-5.5) U5(-6.5,-5.5) U6(-5.5,-5.5) U7(-4.5,-5.5) U8(-3.5,-5.5) U9(-2.5,-5.5) U10(-1.5,-5.5) U11(-0.5,-5.5) U12(0.5,-5.5) U13(1.5,-5.5) U14(2.5,-5.5) U15(3.5,-5.5) U16(4.5,-5.5) U17(5.5,-5.5) U18(6.5,-5.5) U19(7.5,-5.5) U20(8.5,-5.5) U21(9.5,-5.5) U22(10.5,-5.5) V1(-10.5,-6.5) V2(-9.5,-6.5) V3(-8.5,-6.5) V4(-7.5,-6.5) V5(-6.5,-6.5) V6(-5.5,-6.5) V7(-4.5,-6.5) V8(-3.5,-6.5) V9(-2.5,-6.5) V10(-1.5,-6.5) V11(-0.5,-6.5) V12(0.5,-6.5) V13(1.5,-6.5) V14(2.5,-6.5) V15(3.5,-6.5) V16(4.5,-6.5) V17(5.5,-6.5) V18(6.5,-6.5) V19(7.5,-6.5) V20(8.5,-6.5) V21(9.5,-6.5) V22(10.5,-6.5) W1(-10.5,-7.5) W2(-9.5,-7.5) W3(-8.5,-7.5) W4(-7.5,-7.5) W5(-6.5,-7.5) W6(-5.5,-7.5) W7(-4.5,-7.5) W8(-3.5,-7.5) W9(-2.5,-7.5) W10(-1.5,-7.5) W11(-0.5,-7.5) W12(0.5,-7.5) W13(1.5,-7.5) W14(2.5,-7.5) W15(3.5,-7.5) W16(4.5,-7.5) W17(5.5,-7.5) W18(6.5,-7.5) W19(7.5,-7.5) W20(8.5,-7.5) W21(9.5,-7.5) W22(10.5,-7.5) Y1(-10.5,-8.5) Y2(-9.5,-8.5) Y3(-8.5,-8.5) Y4(-7.5,-8.5) Y5(-6.5,-8.5) Y6(-5.5,-8.5) Y7(-4.5,-8.5) Y8(-3.5,-8.5) Y9(-2.5,-8.5) Y10(-1.5,-8.5) Y11(-0.5,-8.5) Y12(0.5,-8.5) Y13(1.5,-8.5) Y14(2.5,-8.5) Y15(3.5,-8.5) Y16(4.5,-8.5) Y17(5.5,-8.5) Y18(6.5,-8.5) Y19(7.5,-8.5) Y20(8.5,-8.5) Y21(9.5,-8.5) Y22(10.5,-8.5)
  silkscreen extent -12.27,-11.5 11.5,11.5, body extent -11.5,-11.5 11.5,11.5, height 2.6
FP-002-15548-MFG [mm]
  rect 1.5x0.6 smd paste+0 mask+0: 1(-3.65,1.905) 2(-3.65,0.635) 3(-3.65,-0.635) 4(-3.65,-1.905) 5(3.65,-1.905) 6(3.65,-0.635) 7(3.65,0.635) 8(3.65,1.905)
  silkscreen extent -5.09,-2.74 2.5,2.74, body extent -4.5,-2.99 4.5,2.99, height 0.25
FP-846AP-MFG [mm]
  rect 1.4x0.3 smd paste+0 mask+0: 1(-2.2,1) 2(-2.2,0.5) 3(-2.2,0) 4(-2.2,-0.5) 5(-2.2,-1) 6(2.2,-1) 7(2.2,-0.5) 8(2.2,0) 9(2.2,0.5) 10(2.2,1)
  silkscreen extent -3.6,-1.55 1.55,1.55, body extent -3,-1.65 3,1.65, height 0.25
FP-ARJM11C7-502-AB-ER2-T-MFG [mm]
  rect 1.39x1.39 hole 0.89 paste-1000 mask+0: 1(5.715,6.5)
  round 1.39 hole 0.89 paste-1000 mask+0: 2(4.445,9.04) 3(3.175,6.5) 4(1.905,9.04) 5(0.635,6.5) 6(-0.635,9.04) 7(-1.905,6.5) 8(-3.175,9.04) 9(-4.445,6.5) 10(-5.715,9.04)
  round 2.42 hole 1.57 paste-1000 mask+0: 11(-7.875,3.2) 12(7.875,3.2)
  round 1.57 hole 1.02 paste-1000 mask+0: L1(-6.8,-2.4) L2(-6.8,-4.43) L3(6.8,-2.4) L4(6.8,-4.43)
  round 3.25 hole 3.25 unplated paste-1000 mask+0: ""(-5.715,0.15) ""(5.715,0.15)
  silkscreen extent -9.83,-10.78 11.15,10.78, body extent -9.92,-10.87 9.92,10.87, height 0.25
FP-DCK0006A-MFG [mm]
  rect 0.9x0.4 smd paste-1000 mask+0: 1(-1.1,0.65) 2(-1.1,0) 3(-1.1,-0.65) 4(1.1,-0.65) 5(1.1,0) 6(1.1,0.65)
  silkscreen extent -2.22,-1.07 0.27,1.07, body extent -1.1,-1 1.1,1, height 1.1
HDR1X2 [mm] "Connector; Header; 2 Position"
  rect 1.5x1.5 hole 0.9: 1(0,0)
  round 1.5 hole 0.9: 2(2.54,0)
  silkscreen extent -1.27,-1.27 3.81,1.27
HDR1X4 [mm] "Connector; Header; 4 Position"
  rect 1.5x1.5 hole 0.9: 1(0,0)
  round 1.5 hole 0.9: 2(2.54,0) 3(5.08,0) 4(7.62,0)
  silkscreen extent -1.27,-1.27 8.89,1.27
HDR1X6 [mm] "Connector; Header; 6 Position"
  rect 1.5x1.5 hole 0.9: 1(0,0)
  round 1.5 hole 0.9: 2(2.54,0) 3(5.08,0) 4(7.62,0) 5(10.16,0) 6(12.7,0)
  silkscreen extent -1.27,-1.27 13.97,1.27
HDR2X3 [mm] "Connector; Header; 3x2 Position"
  rect 1.5x1.5 hole 0.9: 1(0,0)
  round 1.5 hole 0.9: 2(0,2.54) 3(2.54,0) 4(2.54,2.54) 5(5.08,0) 6(5.08,2.54)
  silkscreen extent -1.27,-1.27 6.35,3.81
HDR2X4 [mm] "Connector; Header; 4x2 Position"
  rect 1.5x1.5 hole 0.9: 1(0,0)
  round 1.5 hole 0.9: 2(0,2.54) 3(2.54,0) 4(2.54,2.54) 5(5.08,0) 6(5.08,2.54) 7(7.62,0) 8(7.62,2.54)
  silkscreen extent -1.27,-1.27 8.89,3.81
HDR2X7 [mm] "Connector; Header; 7x2 Position"
  rect 1.5x1.5 hole 0.9: 1(0,0)
  round 1.5 hole 0.9: 2(0,2.54) 3(2.54,0) 4(2.54,2.54) 5(5.08,0) 6(5.08,2.54) 7(7.62,0) 8(7.62,2.54) 9(10.16,0) 10(10.16,2.54) 11(12.7,0) 12(12.7,2.54) 13(15.24,0) 14(15.24,2.54)
  silkscreen extent -1.27,-1.27 16.51,3.81
HDR2X11 [mm] "Connector; Header; 11x2 Position"
  rect 1.5x1.5 hole 0.9: 1(0,0)
  round 1.5 hole 0.9: 2(0,2.54) 3(2.54,0) 4(2.54,2.54) 5(5.08,0) 6(5.08,2.54) 7(7.62,0) 8(7.62,2.54) 9(10.16,0) 10(10.16,2.54) 11(12.7,0) 12(12.7,2.54) 13(15.24,0) 14(15.24,2.54) 15(17.78,0) 16(17.78,2.54) 17(20.32,0) 18(20.32,2.54) 19(22.86,0) 20(22.86,2.54) 21(25.4,0) 22(25.4,2.54)
  silkscreen extent -1.27,-1.27 26.67,3.81
HDR2X30 [mm] "Connector; Header; 30x2 Position"
  rect 1.5x1.5 hole 0.9: 1(0,0)
  round 1.5 hole 0.9: 2(0,2.54) 3(2.54,0) 4(2.54,2.54) 5(5.08,0) 6(5.08,2.54) 7(7.62,0) 8(7.62,2.54) 9(10.16,0) 10(10.16,2.54) 11(12.7,0) 12(12.7,2.54) 13(15.24,0) 14(15.24,2.54) 15(17.78,0) 16(17.78,2.54) 17(20.32,0) 18(20.32,2.54) 19(22.86,0) 20(22.86,2.54) 21(25.4,0) 22(25.4,2.54) 23(27.94,0) 24(27.94,2.54) 25(30.48,0) 26(30.48,2.54) 27(33.02,0) 28(33.02,2.54) 29(35.56,0) 30(35.56,2.54) 31(38.1,0) 32(38.1,2.54) 33(40.64,0) 34(40.64,2.54) 35(43.18,0) 36(43.18,2.54) 37(45.72,0) 38(45.72,2.54) 39(48.26,0) 40(48.26,2.54) 41(50.8,0) 42(50.8,2.54) 43(53.34,0) 44(53.34,2.54) 45(55.88,0) 46(55.88,2.54) 47(58.42,0) 48(58.42,2.54) 49(60.96,0) 50(60.96,2.54) 51(63.5,0) 52(63.5,2.54) 53(66.04,0) 54(66.04,2.54) 55(68.58,0) 56(68.58,2.54) 57(71.12,0) 58(71.12,2.54) 59(73.66,0) 60(73.66,2.54)
  silkscreen extent -1.27,-1.27 75.06,3.81
MICT-TG-54_M [mm] "SOP, 54-Leads, Body 22.22x10.16mm, Pitch 0.8mm, IPC Low Density"
  oval 1.9x0.45 smd: 1(-5.55,10.4) 2(-5.55,9.6) 3(-5.55,8.8) 4(-5.55,8) 5(-5.55,7.2) 6(-5.55,6.4) 7(-5.55,5.6) 8(-5.55,4.8) 9(-5.55,4) 10(-5.55,3.2) 11(-5.55,2.4) 12(-5.55,1.6) 13(-5.55,0.8) 14(-5.55,0) 15(-5.55,-0.8) 16(-5.55,-1.6) 17(-5.55,-2.4) 18(-5.55,-3.2) 19(-5.55,-4) 20(-5.55,-4.8) 21(-5.55,-5.6) 22(-5.55,-6.4) 23(-5.55,-7.2) 24(-5.55,-8) 25(-5.55,-8.8) 26(-5.55,-9.6) 27(-5.55,-10.4) 28(5.55,-10.4) 29(5.55,-9.6) 30(5.55,-8.8) 31(5.55,-8) 32(5.55,-7.2) 33(5.55,-6.4) 34(5.55,-5.6) 35(5.55,-4.8) 36(5.55,-4) 37(5.55,-3.2) 38(5.55,-2.4) 39(5.55,-1.6) 40(5.55,-0.8) 41(5.55,0) 42(5.55,0.8) 43(5.55,1.6) 44(5.55,2.4) 45(5.55,3.2) 46(5.55,4) 47(5.55,4.8) 48(5.55,5.6) 49(5.55,6.4) 50(5.55,7.2) 51(5.55,8) 52(5.55,8.8) 53(5.55,9.6) 54(5.55,10.4)
  silkscreen extent -5.67,-11.15 4.2,11.3, body extent -5.1,-11.15 5.1,11.15, height 1.2
MOLX-54548-2271 [mm] "FPC Connector, 22-Leads, Right Angle, Pitch 0.5 mm, Mated Height 1.2 mm, SMT"
  rect 0.3x1 smd: 1(-5.25,0.95) 2(-4.75,0.95) 3(-4.25,0.95) 4(-3.75,0.95) 5(-3.25,0.95) 6(-2.75,0.95) 7(-2.25,0.95) 8(-1.75,0.95) 9(-1.25,0.95) 10(-0.75,0.95) 11(-0.25,0.95) 12(0.25,0.95) 13(0.75,0.95) 14(1.25,0.95) 15(1.75,0.95) 16(2.25,0.95) 17(2.75,0.95) 18(3.25,0.95) 19(3.75,0.95) 20(4.25,0.95) 21(4.75,0.95) 22(5.25,0.95)
  rect 1x1 smd: MP1(-7.525,-0.95) MP2(7.525,-0.95)
  Top Layer region: -8.35,-0.3 -6.7,-0.3 -6.7,-1.6 -8.35,-1.6
  Top Layer region: 8.35,-0.3 6.7,-0.3 6.7,-1.6 8.35,-1.6
  silkscreen extent -8.1,-3.85 8.1,2.13, body extent -8.1,-3.85 8.1,1.15, height 1.21
NXP-SOT353-1_L [mm] "TSSOP, 5-Leads, Body 2.25x1.35mm, Pitch 0.65mm, IPC High Density"
  rect 0.7x0.35 smd: 1(-0.95,0.65) 2(-0.95,0) 3(-0.95,-0.65) 4(0.95,-0.65) 5(0.95,0.65)
  silkscreen extent -1.07,1.25 -0.83,1.5, body extent -0.67,-1.12 0.67,1.13, height 1.1
QFN50P160X160X60_HS-7N [mm] "QFN, 6-Leads, Body 1.60x1.60mm, Pitch 0.50mm, Thermal Pad 0.50x1.31mm, IPC Medium Density"
  rect 0.4x0.25 smd: 1(-0.65,0.5) 2(-0.65,0) 3(-0.65,-0.5) 4(0.65,-0.5) 5(0.65,0) 6(0.65,0.5)
  rect 0.5x1.41 smd: 7(0,0)
  silkscreen extent -1.23,0.95 -1.13,1.05, body extent -0.83,-0.82 0.83,0.82, height 0.6
RGX0011A [mm]
  rrect50% 0.25x2.4 smd: 1(-0.5,0) 2(0,0) 3(0.5,0)
  rrect50% 0.6x0.25 smd: 4(1.4,-0.75) 5(1.4,-0.25) 6(1.4,0.25) 7(1.4,0.75) 8(-1.4,0.75) 9(-1.4,0.25) 10(-1.4,-0.25) 11(-1.4,-0.75)
  silkscreen extent -1.55,-1.62 1.55,1.05, body extent -1.55,-1.05 1.55,1.05, height 1
SOT95P280X145-6N-5 [mm] "SOT23, 6-Leads, Body 2.90x2.80mm, Pitch 0.95mm, IPC Medium Density"
  rect 1.05x0.6 smd: 1(-1.325,0.95) 2(-1.325,0) 3(-1.325,-0.95) 4(1.325,-0.95) 5(1.325,0) 6(1.325,0.95)
  silkscreen extent -1.45,-1.45 0.4,1.92, body extent -1.4,-1.45 1.4,1.45, height 1.45
SWPA4030S [mm] "Wire Wound SMD Power Inductor 4.0×4.0×3.0"
  rrect25% 1.1x3.7 smd paste+0: 1(-1.5,0) 2(1.5,0)
  silkscreen extent -0.75,-2 0.75,2, body extent -2,-2 2,2, height 3
TD-07XB [mm] "TACT SWITCH"
  rect 2x1 smd paste+0: 1(-3.75,-2.25) 2(3.75,-2.25) 3(-3.75,2.25) 4(3.75,2.25) 5(-3.5,0)
  silkscreen extent -3.1,-3 3.1,3
TFP09-2-12B [mm] "Micro SD Card Connector"
  rect 0.7x1.6 smd: 1(2.2,10.5) 2(1.1,10.5) 3(0,10.5) 4(-1.1,10.5) 5(-2.2,10.5) 6(-3.3,10.5) 7(-4.4,10.5) 8(-5.5,10.5)
  round 1 hole 1 unplated: ALIGN-1(3.05,0) ALIGN-2(-4.93,0)
  rect 0.7x1.6 smd mask+0.05: CD(-6.6,10.5)
  rect 1.6x1.4 smd: MT1(6.85,10)
  rect 1.2x2.2 smd: MT2(7.75,0.4) MT3(-7.75,0.4)
  rect 1.2x1.4 smd mask+0.05: MT4(-7.75,10)
  silkscreen extent -7.35,-9.3 7.35,10.5, body extent -8.35,-6.3 8.35,10.5, height 1.8
TYPE-C-31-M-12 [mm] "USB Connector TYPE-C-31-M-12 Female 16P SMD"
  rect 0.575x1.45 smd mask+0.03: A1/B12(-3.225,5.1) A4/B9(-2.45,5.092) A9/B4(2.45,5.092) A12/B1(3.225,5.092)
  rect 0.3x1.45 smd mask+0.03: A5(-1.25,5.092) A6(-0.25,5.092) A7(0.25,5.092) A8(1.25,5.092) B5(1.75,5.092) B6(0.75,5.092) B7(-0.75,5.092) B8(-1.75,5.092)
  round 0 hole 0.65 unplated paste+0: MP1(-2.89,3.65) MP2(2.89,3.65)
  rrect100% 1x2.1 hole 0.6 slot 1.7 at 90 deg: SHIELD1(-4.32,4.18) SHIELD2(4.32,4.18)
  rrect100% 1x1.6 hole 0.6 slot 1.2 at 90 deg: SHIELD3(-4.32,0) SHIELD4(4.32,0)
  silkscreen extent -4.32,-2.6 4.32,2.75, body extent -4.79,-2.6 4.79,5.11, height 3.31